# KiCad board T2000.kicad_pcb
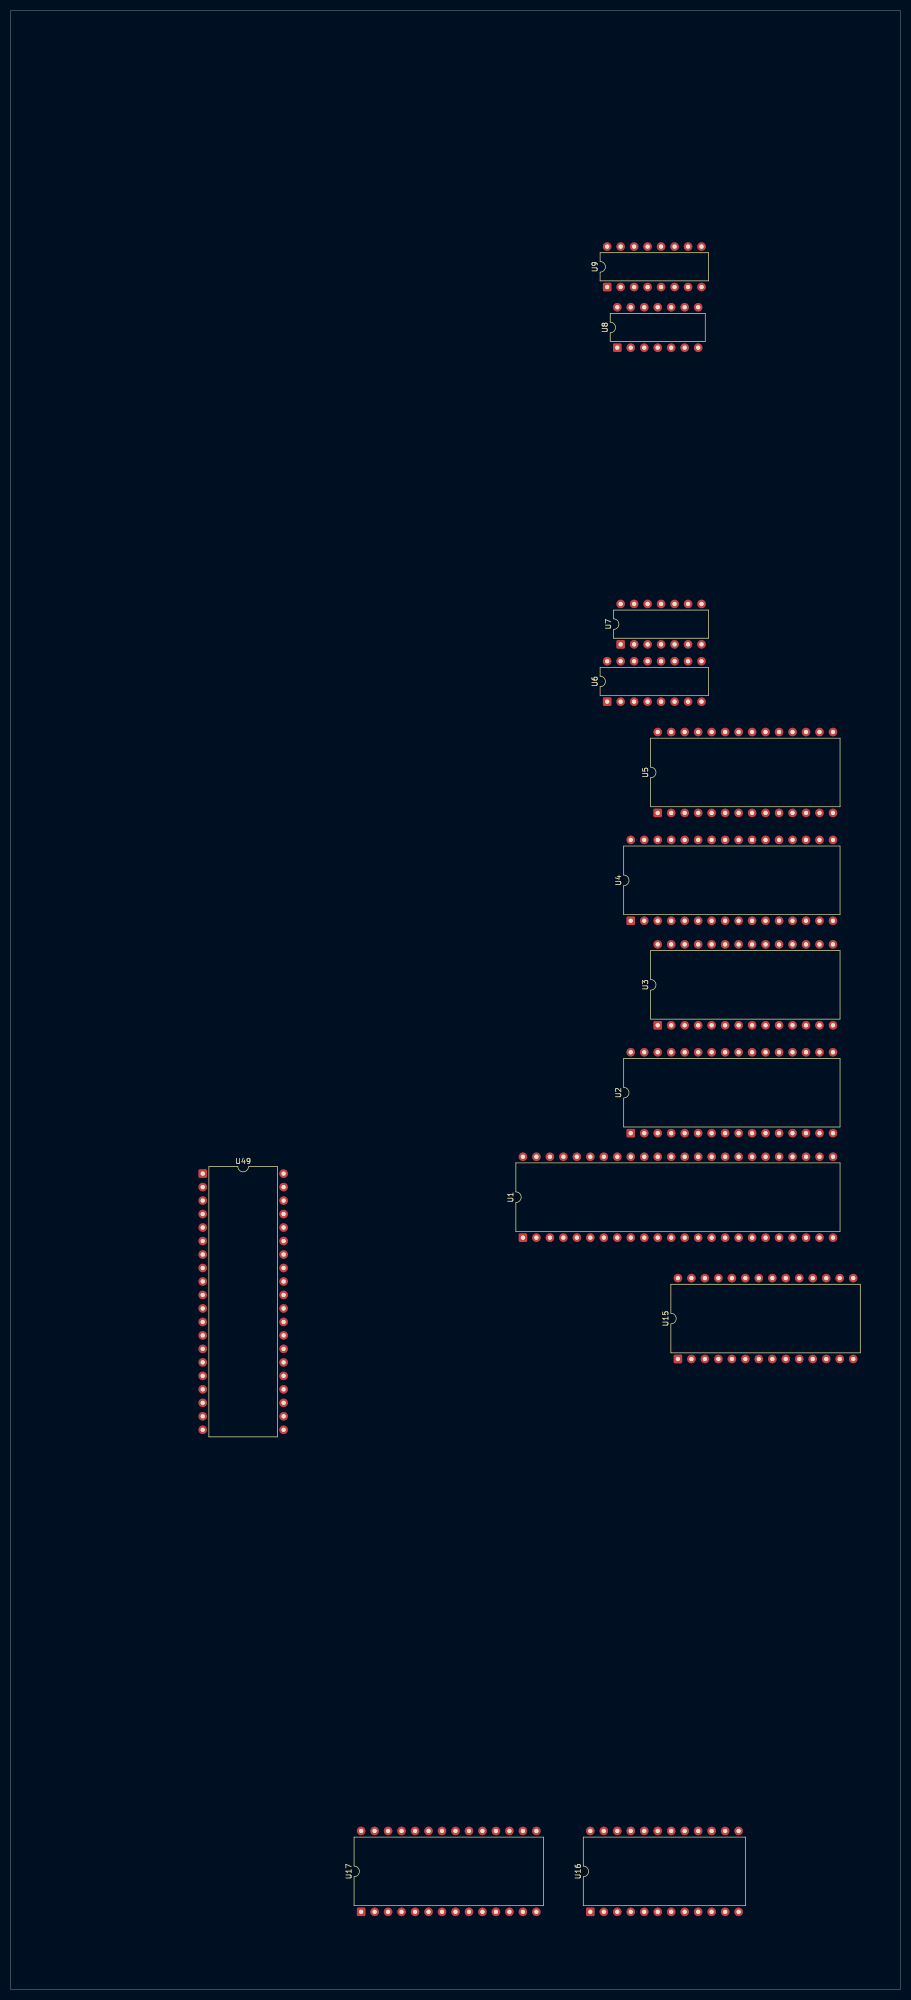
[diagram p0: board, top side]
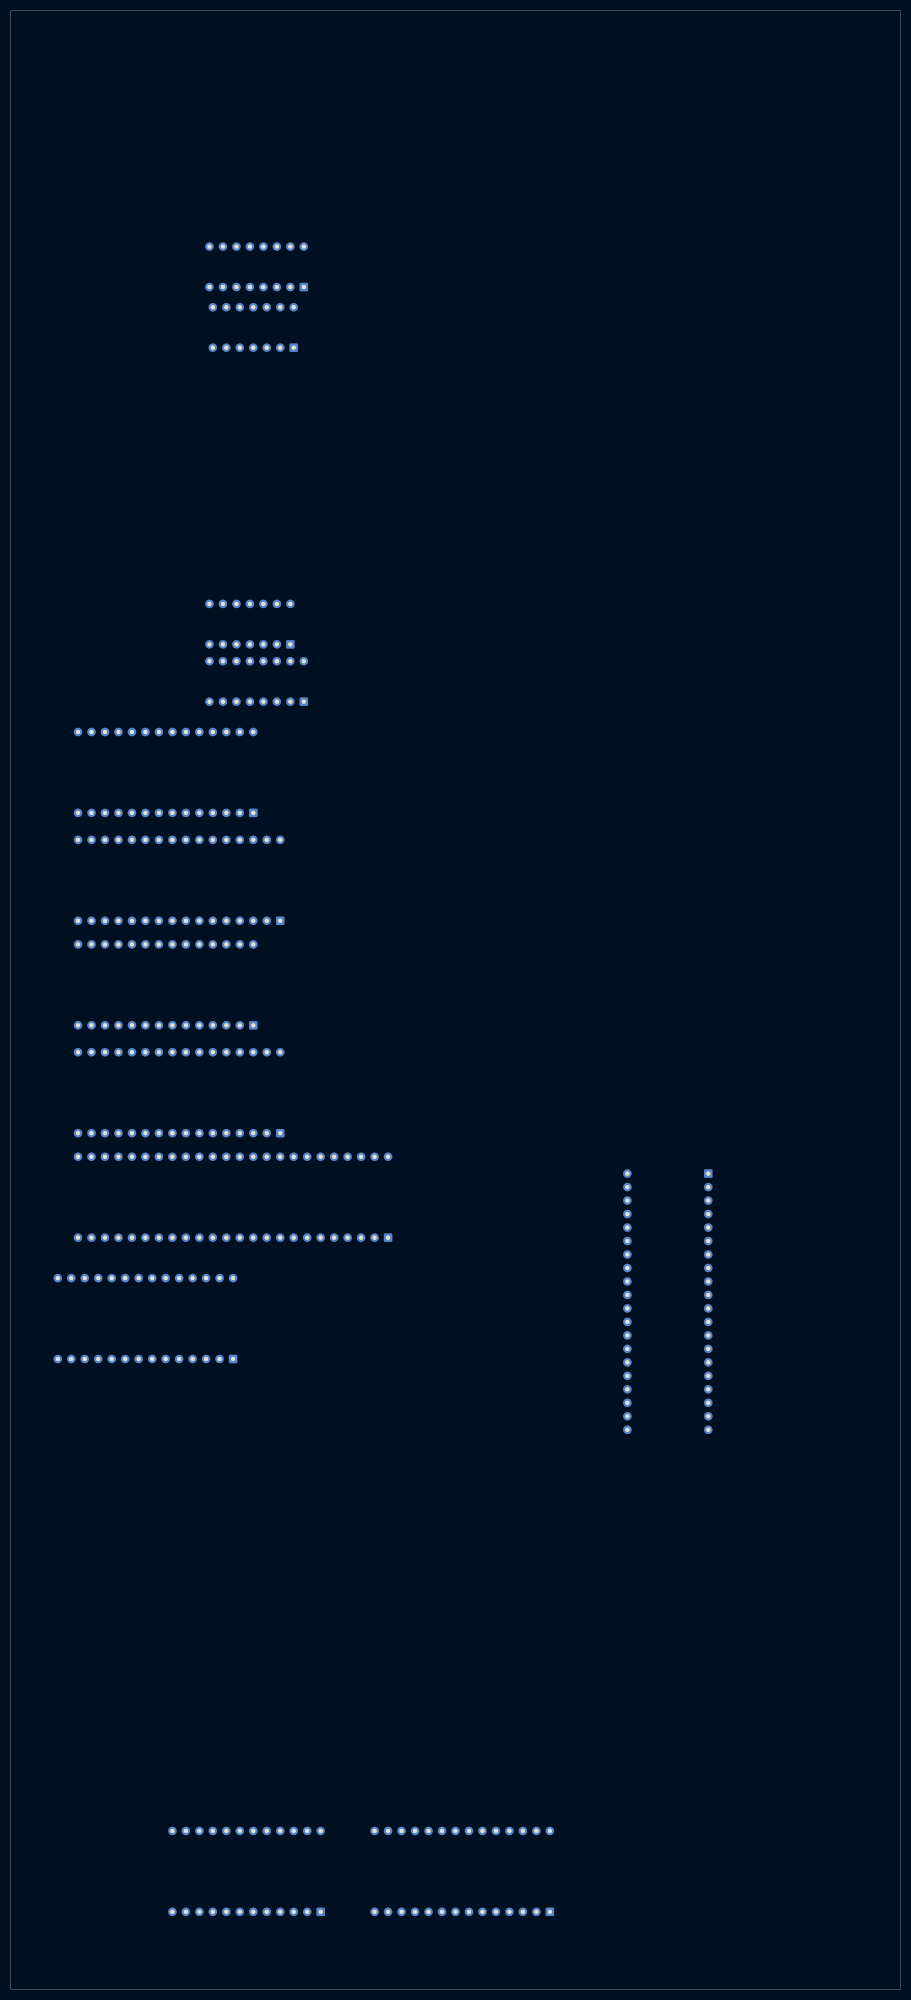
[diagram p1: board, bottom side, seen from below]

Outline 167.64 x 372.75 mm; copper layers: Top, Bottom. Coordinates in mm from the lower left corner of the outline.
Outline path: rectangle 0,372.75 167.64,0

## Placement (name value [footprint] x y rotation side)
U1  MC68008P10  [DIP-48_W15.24mm]  96.52 141.6 90 top
U2  27C010A-15  [DIP-32_W15.24mm]  116.84 161.29 90 top
U3  27C256  [DIP-28_W15.24mm]  121.92 181.61 90 top
U4  27C010A-15  [DIP-32_W15.24mm]  116.84 201.29 90 top
U5  27C256  [DIP-28_W15.24mm]  121.92 221.61 90 top
U6  74HC139AP  [DIP-16_W7.62mm]  112.39 242.57 90 top
U7  74HC02N  [DIP-14_W7.62mm]  114.94 253.36 90 top
U8  LM339N  [DIP-14_W7.62mm]  114.3 309.25 90 top
U9  74HC4538AP  [DIP-16_W7.62mm]  112.39 320.68 90 top
U15  84256A-10L  [DIP-28_W15.24mm]  125.73 118.75 90 top
U16  EF6850P  [DIP-24_W15.24mm]  109.22 14.61 90 top
U17  MC6840P  [DIP-28_W15.24mm]  66.04 14.61 90 top
U49  YM2149  [DIP-40_W15.24mm]  36.2 153.67 0 top

## Library data of the parts
U1 = -: Datasheet: https://www.nxp.com/docs/en/reference-manual/MC68000UM.pdf; Description: 8/32-bit microprocessor, 8-bit external data bus, 20-bit external address bus, DIP-48 (600 mil, case 767-02); ki_fp_filters: DIP*W15.24mm*
U2 U4 = -: Datasheet: http://ww1.microchip.com/downloads/en/DeviceDoc/doc0321.pdf; Description: OTP EPROM 1 MiBit (128 Ki x 8 Bit); ki_fp_filters: DIP*W15.24mm* PLCC*
U3 U5 = -: Datasheet: http://ww1.microchip.com/downloads/en/DeviceDoc/doc0014.pdf; Description: OTP EPROM 256 KiBit; ki_fp_filters: DIP*W15.24mm*
U6 = -: Datasheet: http://www.ti.com/lit/ds/symlink/sn74ls139a.pdf; Description: Dual Decoder 1 of 4, Active low outputs; ki_fp_filters: DIP?16*
U7 = -: Datasheet: http://www.ti.com/lit/gpn/sn74hc02; Description: quad 2-input NOR gate; ki_fp_filters: SO14* DIP*W7.62mm*
U8 = -: Datasheet: https://www.st.com/resource/en/datasheet/lm139.pdf; Description: Quad Differential Comparators, SOIC-14/TSSOP-14; ki_fp_filters: SOIC*3.9x8.7mm*P1.27mm* TSSOP*4.4x5mm*P0.65mm*
U9 = -: Datasheet: https://assets.nexperia.com/documents/data-sheet/HEF4538B.pdf; Description: Monostable; ki_fp_filters: DIP?16*
U15 = -: Datasheet: https://www.futurlec.com/Datasheet/Memory/62256.pdf; Description: 32Kx8 bit Low Power CMOS Static RAM, 55/70ns, DIP-28; ki_fp_filters: DIP*W15.24mm*
U16 = -: Datasheet: http://pdf.datasheetcatalog.com/datasheet/motorola/MC6850.pdf; Description: Asynchronous Communications Interface Adapter 1MHz, DIP-40; ki_fp_filters: DIP*W15.24mm*
U17 = -: Datasheet: http://pdf.datasheetcatalog.com/datasheet/motorola/MC6840.pdf; Description: Motorola Programmable Timer Module, 1.0MHz, DIP-28; ki_fp_filters: DIP*W15.24mm*
U49 = -: Datasheet: http://www.ym2149.com/ym2149.pdf; Description: Software-Controlled Sound Generator, DIP-40; ki_fp_filters: DIP*W15.24mm*

## Footprints (pads in the part's own frame, mm; a bottom-side part is the same pattern mirrored in y, then rotated)
DIP-14_W7.62mm
  rrect 1.6x1.6 hole 0.8: 1(0,0)
  round 1.6 hole 0.8: 2(0,-2.54) 3(0,-5.08) 4(0,-7.62) 5(0,-10.16) 6(0,-12.7) 7(0,-15.24) 8(7.62,-15.24) 9(7.62,-12.7) 10(7.62,-10.16) 11(7.62,-7.62) 12(7.62,-5.08) 13(7.62,-2.54) 14(7.62,0)
DIP-16_W7.62mm
  rrect 1.6x1.6 hole 0.8: 1(0,0)
  round 1.6 hole 0.8: 2(0,-2.54) 3(0,-5.08) 4(0,-7.62) 5(0,-10.16) 6(0,-12.7) 7(0,-15.24) 8(0,-17.78) 9(7.62,-17.78) 10(7.62,-15.24) 11(7.62,-12.7) 12(7.62,-10.16) 13(7.62,-7.62) 14(7.62,-5.08) 15(7.62,-2.54) 16(7.62,0)
DIP-24_W15.24mm
  rrect 1.6x1.6 hole 0.8: 1(0,0)
  round 1.6 hole 0.8: 2(0,-2.54) 3(0,-5.08) 4(0,-7.62) 5(0,-10.16) 6(0,-12.7) 7(0,-15.24) 8(0,-17.78) 9(0,-20.32) 10(0,-22.86) 11(0,-25.4) 12(0,-27.94) 13(15.24,-27.94) 14(15.24,-25.4) 15(15.24,-22.86) 16(15.24,-20.32) 17(15.24,-17.78) 18(15.24,-15.24) 19(15.24,-12.7) 20(15.24,-10.16) 21(15.24,-7.62) 22(15.24,-5.08) 23(15.24,-2.54) 24(15.24,0)
DIP-28_W15.24mm
  rrect 1.6x1.6 hole 0.8: 1(0,0)
  round 1.6 hole 0.8: 2(0,-2.54) 3(0,-5.08) 4(0,-7.62) 5(0,-10.16) 6(0,-12.7) 7(0,-15.24) 8(0,-17.78) 9(0,-20.32) 10(0,-22.86) 11(0,-25.4) 12(0,-27.94) 13(0,-30.48) 14(0,-33.02) 15(15.24,-33.02) 16(15.24,-30.48) 17(15.24,-27.94) 18(15.24,-25.4) 19(15.24,-22.86) 20(15.24,-20.32) 21(15.24,-17.78) 22(15.24,-15.24) 23(15.24,-12.7) 24(15.24,-10.16) 25(15.24,-7.62) 26(15.24,-5.08) 27(15.24,-2.54) 28(15.24,0)
DIP-32_W15.24mm
  rrect 1.6x1.6 hole 0.8: 1(0,0)
  round 1.6 hole 0.8: 2(0,-2.54) 3(0,-5.08) 4(0,-7.62) 5(0,-10.16) 6(0,-12.7) 7(0,-15.24) 8(0,-17.78) 9(0,-20.32) 10(0,-22.86) 11(0,-25.4) 12(0,-27.94) 13(0,-30.48) 14(0,-33.02) 15(0,-35.56) 16(0,-38.1) 17(15.24,-38.1) 18(15.24,-35.56) 19(15.24,-33.02) 20(15.24,-30.48) 21(15.24,-27.94) 22(15.24,-25.4) 23(15.24,-22.86) 24(15.24,-20.32) 25(15.24,-17.78) 26(15.24,-15.24) 27(15.24,-12.7) 28(15.24,-10.16) 29(15.24,-7.62) 30(15.24,-5.08) 31(15.24,-2.54) 32(15.24,0)
DIP-40_W15.24mm
  rrect 1.6x1.6 hole 0.8: 1(0,0)
  round 1.6 hole 0.8: 2(0,-2.54) 3(0,-5.08) 4(0,-7.62) 5(0,-10.16) 6(0,-12.7) 7(0,-15.24) 8(0,-17.78) 9(0,-20.32) 10(0,-22.86) 11(0,-25.4) 12(0,-27.94) 13(0,-30.48) 14(0,-33.02) 15(0,-35.56) 16(0,-38.1) 17(0,-40.64) 18(0,-43.18) 19(0,-45.72) 20(0,-48.26) 21(15.24,-48.26) 22(15.24,-45.72) 23(15.24,-43.18) 24(15.24,-40.64) 25(15.24,-38.1) 26(15.24,-35.56) 27(15.24,-33.02) 28(15.24,-30.48) 29(15.24,-27.94) 30(15.24,-25.4) 31(15.24,-22.86) 32(15.24,-20.32) 33(15.24,-17.78) 34(15.24,-15.24) 35(15.24,-12.7) 36(15.24,-10.16) 37(15.24,-7.62) 38(15.24,-5.08) 39(15.24,-2.54) 40(15.24,0)
DIP-48_W15.24mm
  rrect 1.6x1.6 hole 0.8: 1(0,0)
  round 1.6 hole 0.8: 2(0,-2.54) 3(0,-5.08) 4(0,-7.62) 5(0,-10.16) 6(0,-12.7) 7(0,-15.24) 8(0,-17.78) 9(0,-20.32) 10(0,-22.86) 11(0,-25.4) 12(0,-27.94) 13(0,-30.48) 14(0,-33.02) 15(0,-35.56) 16(0,-38.1) 17(0,-40.64) 18(0,-43.18) 19(0,-45.72) 20(0,-48.26) 21(0,-50.8) 22(0,-53.34) 23(0,-55.88) 24(0,-58.42) 25(15.24,-58.42) 26(15.24,-55.88) 27(15.24,-53.34) 28(15.24,-50.8) 29(15.24,-48.26) 30(15.24,-45.72) 31(15.24,-43.18) 32(15.24,-40.64) 33(15.24,-38.1) 34(15.24,-35.56) 35(15.24,-33.02) 36(15.24,-30.48) 37(15.24,-27.94) 38(15.24,-25.4) 39(15.24,-22.86) 40(15.24,-20.32) 41(15.24,-17.78) 42(15.24,-15.24) 43(15.24,-12.7) 44(15.24,-10.16) 45(15.24,-7.62) 46(15.24,-5.08) 47(15.24,-2.54) 48(15.24,0)

## Nets
A0: U1.46
A1: U1.47
A2: U1.48
A3: U1.1
A4: U1.2
A5: U1.3
A6: U1.4
A7: U1.5
A8: U1.6
A9: U1.7
A10: U1.8
A11: U1.9
A12: U1.10
A13: U1.11
A14: U1.12
A15: U1.14
A16: U1.16
A17: U1.17
A18: U1.18
A19: U1.19
D0: U1.27 U2.13 U3.11 U4.13 U5.11 U15.11
D1: U1.26 U2.14 U3.12 U4.14 U5.12 U15.12
D2: U1.25 U2.15 U3.13 U4.15 U5.13 U15.13
D3: U1.24 U2.17 U3.15 U4.17 U5.15 U15.15
D4: U1.23 U2.18 U3.16 U4.18 U5.16 U15.16
D5: U1.22 U2.19 U3.17 U4.19 U5.17 U15.17
D6: U1.21 U2.20 U3.18 U4.20 U5.18 U15.18
D7: U1.20 U2.21 U3.19 U4.21 U5.19 U15.19
Net-(U1-GND-Pad15): U1.15 U1.35

Pads without a net: U1 13 28 29 30 31 32 33 34 36 37 38 39 40 41 42 43 44 45; U2 1 2 3 4 5 6 7 8 9 10 11 12 16 22 23 24 25 26 27 28 29 30 31 32; U3 1 2 3 4 5 6 7 8 9 10 14 20 21 22 23 24 25 26 27 28; U4 1 2 3 4 5 6 7 8 9 10 11 12 16 22 23 24 25 26 27 28 29 30 31 32; U5 1 2 3 4 5 6 7 8 9 10 14 20 21 22 23 24 25 26 27 28; U6 1 2 3 4 5 6 7 8 9 10 11 12 13 14 15 16; U7 1 2 3 4 5 6 7 8 9 10 11 12 13 14; U8 1 2 3 4 5 6 7 8 9 10 11 12 13 14; U9 1 2 3 4 5 6 7 8 9 10 11 12 13 14 15 16; U15 1 2 3 4 5 6 7 8 9 10 14 20 21 22 23 24 25 26 27 28; U16 1 2 3 4 5 6 7 8 9 10 11 12 13 14 15 16 17 18 19 20 21 22 23 24; U17 1 2 3 4 5 6 7 8 9 10 11 12 13 14 15 16 17 18 19 20 21 22 23 24 25 26 27 28; U49 1 2 3 4 5 6 7 8 9 10 11 12 13 14 15 16 17 18 19 20 21 22 23 24 25 26 27 28 29 30 31 32 33 34 35 36 37 38 39 40
